# KiCad board sbc.kicad_pcb (continued)
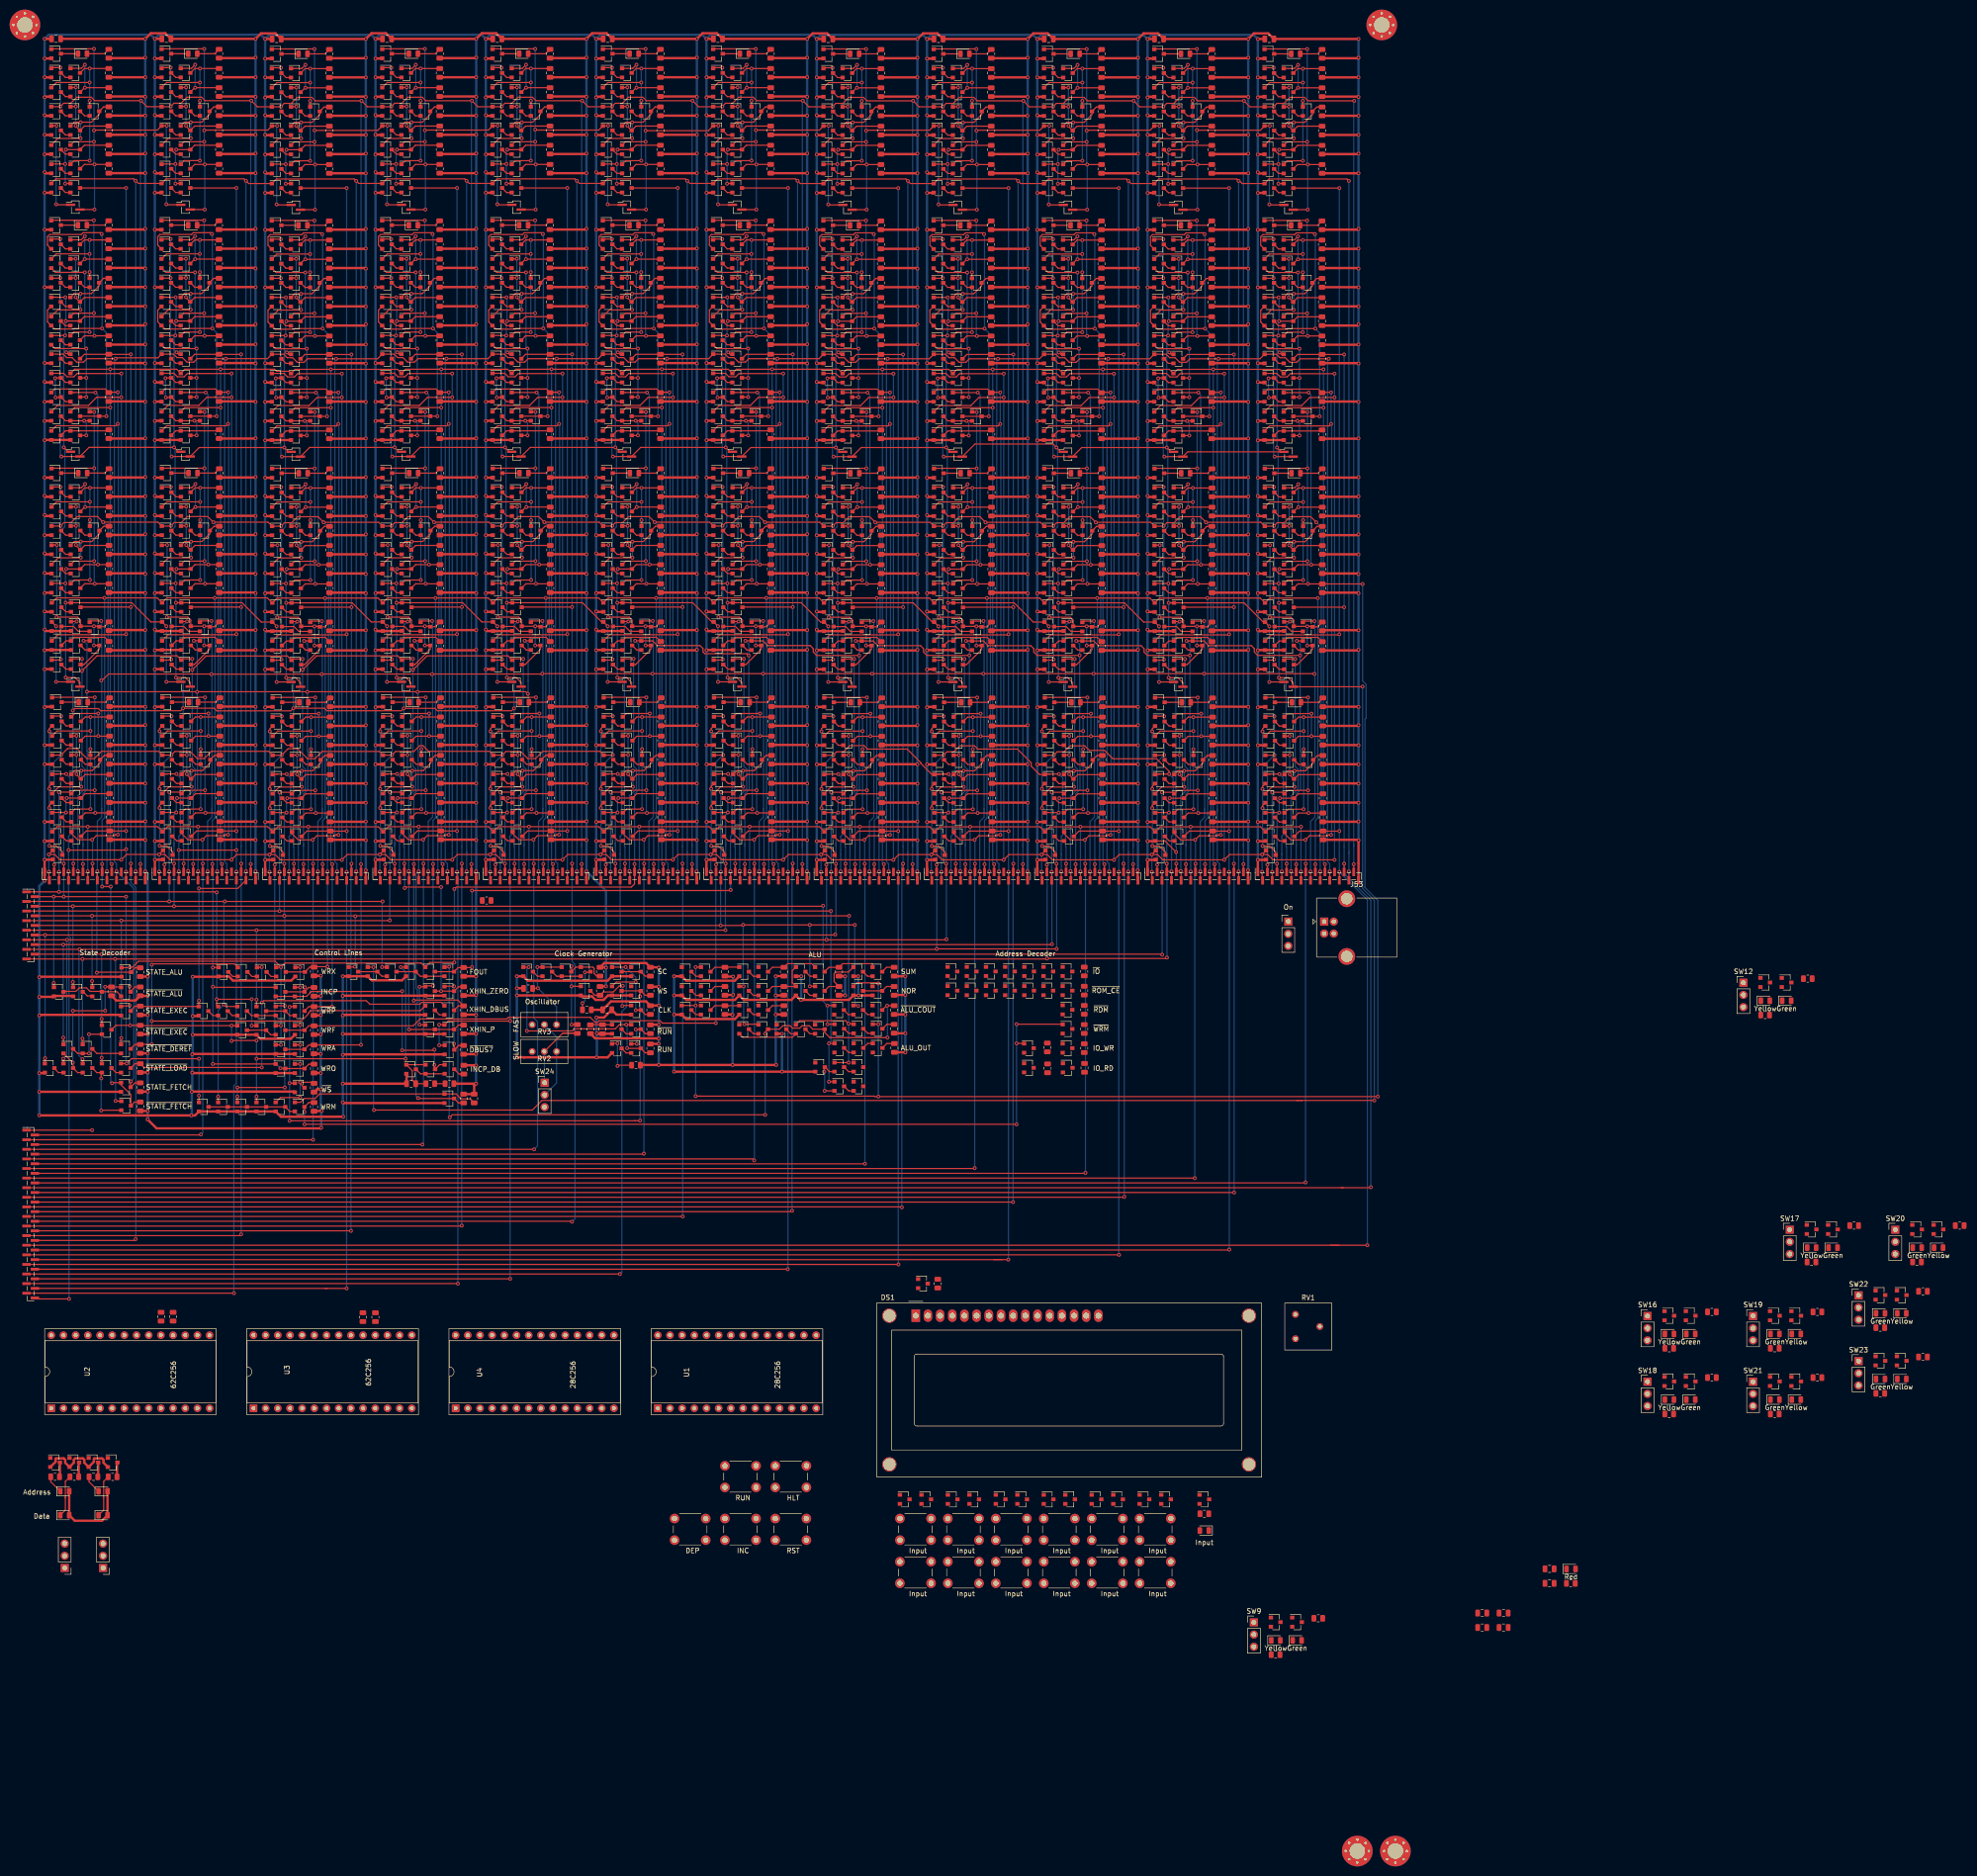
[diagram p0: board, top side]
## Routing (per net, layer and track width the routed paths; a pad name or vN(x,y) marks a point on that pad's centre or on a via; arc(x,y) is an arc through that point) (continued)
Net-(Q556-Pad1): length 11
  Top w0.25: Q560.3 123.6,252.4 Q556.1 125.4,253.14 131.71,253.14 R235.2
Net-(Q561-Pad1): length 39.6
  Top w0.25: v1(128.6,281.38) 121.65,281.38 Q564.1 ; Q561.1 125.35,265.09 v1(128.6,265.09) ; R240.2 v1(128.61,284.3) 127.51,284.3 Q567.3 ; v1(128.6,277.59) Q570.1
  Bottom w0.25: v1(128.6,265.09) v1(128.6,277.59) v1(128.6,281.38) 128.6,284.29 v1(128.61,284.3)
Net-(Q561-Pad2): length 2.4
  Top w0.25: Q563.3 123.55,262.44 Q561.2
Net-(Q562-Pad1): length 18
  Top w0.25: v1(125.7,272.38) 125.7,272.29 Q573.3 127.51,272.3 R242.2 ; v1(125.7,276.38) 124.65,276.38 124.6,276.34 ; Q562.1 125.65,280.34 v1(125.7,280.38)
  Bottom w0.25: v1(125.7,280.38) v1(125.7,276.38) v1(125.7,272.38)
Net-(Q562-Pad2): length 2.4
  Top w0.25: Q562.2 123.55,278.44 Q564.3
Net-(Q562-Pad3): length 14.5
  Top w0.25: R237.2 v1(127.61,280.3) 127.51,280.3 Q562.3 ; Q567.1 126.85,284.34 v1(127.6,285.09)
  Bottom w0.25: v1(127.6,285.09) 127.6,280.31 v1(127.61,280.3)
Net-(Q566-Pad2): length 2.4
  Top w0.25: Q566.2 123.55,266.44 Q568.3
Net-(Q567-Pad2): length 2.4
  Top w0.25: Q567.2 123.55,282.44 Q569.3
Net-(Q568-Pad1): length 20.1
  Top w0.25: 126.73,273.11 125.38,273.11 Q573.1 ; 126.73,273.11 128.97,273.11 130.6,274.74 Q570.3 131.51,276.3 R241.2 ; 126.73,273.11 v1(126.7,273.09) ; v1(126.7,269.75) 126.66,269.71 121.97,269.71 Q568.1
  Bottom w0.25: v1(126.7,273.09) v1(126.7,269.75)
Net-(Q570-Pad2): length 2.4
  Top w0.25: Q570.2 127.55,274.44 Q571.3
Net-(Q571-Pad2): length 2.4
  Top w0.25: Q571.2 123.55,274.44 Q572.3
Net-(Q573-Pad2): length 2.4
  Top w0.25: Q574.3 123.55,270.44 Q573.2
Net-(Q575-Pad2): length 2.4
  Top w0.25: Q575.2 123.5,310.3 Q576.3
Net-(Q577-Pad2): length 11.2
  Top w0.25: v1(121.45,303.15) 122.45,303.15 Q582.3 123.5,302.3 Q578.2 ; Q577.2 123.5,306.3 Q581.3 121.44,307.25 v1(121.37,307.17)
  Bottom w0.25: v1(121.37,307.17) 121.37,303.23 v1(121.45,303.15)
Net-(Q579-Pad2): length 10.9
  Top w0.25: Q583.3 123.5,298.3 Q579.2 v1(127.4,298.3) Q580.2 ; Q584.3 v1(127.85,295.25)
  Bottom w0.25: v1(127.85,295.25) 127.85,297.85 v1(127.4,298.3)
Net-(Q584-Pad1): length 10.5
  Top w0.25: R244.2 132.34,296.2 Q584.1 123.5,296.2 Q585.3
Net-(Q586-Pad1): length 39.6
  Top w0.25: v1(128.53,333.09) 121.58,333.09 Q589.1 ; R249.2 v1(128.54,336) 127.44,336 Q592.3 ; v1(128.53,316.79) 125.28,316.79 Q586.1 ; v1(128.53,329.29) Q595.1
  Bottom w0.25: v1(128.54,336) 128.53,335.99 v1(128.53,333.09) v1(128.53,329.29) v1(128.53,316.79)
Net-(Q586-Pad2): length 2.4
  Top w0.25: Q586.2 123.48,314.14 Q588.3
Net-(Q587-Pad1): length 18
  Top w0.25: v1(125.63,324.09) 125.63,323.99 Q598.3 127.44,324 R251.2 ; Q587.1 125.58,332.04 v1(125.63,332.09) ; v1(125.63,328.09) 124.58,328.09 Q596.1
  Bottom w0.25: v1(125.63,332.09) v1(125.63,328.09) v1(125.63,324.09)
Net-(Q587-Pad2): length 2.4
  Top w0.25: Q587.2 123.48,330.14 Q589.3
Net-(Q587-Pad3): length 14.5
  Top w0.25: Q587.3 127.44,332 v1(127.54,332) R246.2 ; v1(127.53,336.79) 126.78,336.04 Q592.1
  Bottom w0.25: v1(127.53,336.79) 127.53,332.02 v1(127.54,332)
Net-(Q591-Pad2): length 2.4
  Top w0.25: Q593.3 123.48,318.14 Q591.2
Net-(Q592-Pad2): length 2.4
  Top w0.25: Q592.2 123.48,334.14 Q594.3
Net-(Q593-Pad1): length 20.1
  Top w0.25: 126.66,324.82 125.31,324.82 Q598.1 ; 126.66,324.82 128.91,324.82 130.53,326.44 Q595.3 131.44,328 R250.2 ; 126.66,324.82 v1(126.63,324.79) ; Q593.1 121.9,321.41 126.59,321.41 v1(126.63,321.45)
  Bottom w0.25: v1(126.63,324.79) v1(126.63,321.45)
Net-(Q595-Pad2): length 2.4
  Top w0.25: Q595.2 127.48,326.14 Q596.3
Net-(Q596-Pad2): length 2.4
  Top w0.25: Q596.2 123.48,326.14 Q597.3
Net-(Q598-Pad2): length 2.4
  Top w0.25: Q598.2 123.48,322.14 Q599.3
Net-(Q602-Pad1): length 39.6
  Top w0.25: Q602.1 125.46,217.31 v1(128.71,217.31) ; v1(128.71,233.61) 121.76,233.61 Q605.1 ; R256.2 v1(128.72,236.52) 127.62,236.52 Q608.3 ; v1(128.71,229.81) Q611.1
  Bottom w0.25: v1(128.72,236.52) 128.71,236.51 v1(128.71,233.61) v1(128.71,229.81) v1(128.71,217.31)
Net-(Q602-Pad2): length 2.4
  Top w0.25: Q604.3 123.66,214.66 Q602.2
Net-(Q603-Pad1): length 18
  Top w0.25: Q612.1 124.76,228.61 v1(125.81,228.61) ; Q603.1 125.76,232.56 v1(125.81,232.61) ; v1(125.81,224.61) 125.81,224.51 Q614.3 127.62,224.52 R258.2
  Bottom w0.25: v1(125.81,224.61) v1(125.81,228.61) v1(125.81,232.61)
Net-(Q603-Pad2): length 2.4
  Top w0.25: Q605.3 123.66,230.66 Q603.2
Net-(Q603-Pad3): length 17.1
  Top w0.25: v1(130.34,237.24) 125.4,237.24 Q608.1 ; 130.32,232.52 130.28,232.52 ; 130.32,232.52 130.32,232.53 v1(130.34,232.55) 130.31,232.55 130.28,232.52 ; 130.32,232.52 R253.2 ; 130.28,232.52 127.62,232.52 Q603.3
  Bottom w0.25: v1(130.34,232.55) v1(130.34,237.24)
Net-(Q607-Pad2): length 2.4
  Top w0.25: Q607.2 123.66,218.66 Q609.3
Net-(Q608-Pad2): length 2.4
  Top w0.25: Q610.3 123.66,234.66 Q608.2
Net-(Q609-Pad1): length 20.1
  Top w0.25: R257.2 131.62,228.52 Q611.3 130.71,226.96 129.09,225.33 126.84,225.33 ; 126.84,225.33 v1(126.81,225.31) ; 126.84,225.33 125.49,225.33 Q614.1 ; v1(126.81,221.97) 126.77,221.93 122.09,221.93 Q609.1
  Bottom w0.25: v1(126.81,225.31) v1(126.81,221.97)
Net-(Q611-Pad2): length 2.4
  Top w0.25: Q611.2 127.66,226.66 Q612.3
Net-(Q612-Pad2): length 2.4
  Top w0.25: Q613.3 123.66,226.66 Q612.2
Net-(Q614-Pad2): length 2.4
  Top w0.25: Q614.2 123.66,222.66 Q615.3
Net-(Q616-Pad2): length 2.4
  Top w0.25: Q617.3 146.7,210.7 Q616.2
Net-(Q618-Pad2): length 2.4
  Top w0.25: Q618.2 146.5,345.9 Q619.3
Net-(Q620-Pad1): length 39.6
  Top w0.25: R265.2 v1(151.56,371.76) 150.46,371.76 Q626.3 ; Q620.1 148.3,352.55 v1(151.55,352.55) ; Q623.1 144.6,368.85 v1(151.55,368.85) ; v1(151.55,365.05) Q629.1
  Bottom w0.25: v1(151.55,352.55) v1(151.55,365.05) v1(151.55,368.85) 151.55,371.75 v1(151.56,371.76)
Net-(Q620-Pad2): length 2.4
  Top w0.25: Q620.2 146.5,349.9 Q622.3
Net-(Q621-Pad1): length 18
  Top w0.25: Q621.1 148.6,367.8 v1(148.65,367.85) ; R267.2 150.46,359.76 Q632.3 148.65,359.75 v1(148.65,359.85) ; v1(148.65,363.85) 147.6,363.85 Q630.1
  Bottom w0.25: v1(148.65,367.85) v1(148.65,363.85) v1(148.65,359.85)
Net-(Q621-Pad2): length 2.4
  Top w0.25: Q623.3 146.5,365.9 Q621.2
Net-(Q621-Pad3): length 14.5
  Top w0.25: v1(150.55,372.55) 149.8,371.8 Q626.1 ; Q621.3 150.46,367.76 v1(150.56,367.76) R262.2
  Bottom w0.25: v1(150.56,367.76) 150.55,367.77 v1(150.55,372.55)
Net-(Q625-Pad2): length 2.4
  Top w0.25: Q625.2 146.5,353.9 Q627.3
Net-(Q626-Pad2): length 2.4
  Top w0.25: Q626.2 146.5,369.9 Q628.3
Net-(Q627-Pad1): length 20.1
  Top w0.25: v1(149.65,357.21) 149.61,357.17 144.92,357.17 Q627.1 ; R266.2 154.46,363.76 Q629.3 153.55,362.2 151.93,360.57 149.68,360.57 ; 149.68,360.57 148.33,360.57 Q632.1 ; 149.68,360.57 v1(149.65,360.55)
  Bottom w0.25: v1(149.65,360.55) v1(149.65,357.21)
Net-(Q629-Pad2): length 2.4
  Top w0.25: Q629.2 150.5,361.9 Q630.3
Net-(Q630-Pad2): length 2.4
  Top w0.25: Q631.3 146.5,361.9 Q630.2
Net-(Q632-Pad2): length 2.4
  Top w0.25: Q633.3 146.5,357.9 Q632.2
Net-(Q634-Pad2): length 2.3
  Top w0.25: Q634.2 150.6,250.5 Q639.3
Net-(Q635-Pad2): length 2.4
  Top w0.25: Q635.2 146.6,258.45 Q640.3
Net-(Q636-Pad2): length 2.4
  Top w0.25: Q636.2 146.6,246.5 Q641.3
Net-(Q637-Pad2): length 6.3
  Top w0.25: Q642.3 148.19,255.4 149.19,254.4 151.55,254.4
Net-(Q639-Pad1): length 11
  Top w0.25: Q643.3 146.6,252.4 Q639.1 148.4,253.14 154.71,253.14 R269.2
Net-(Q644-Pad1): length 39.6
  Top w0.25: v1(151.6,277.59) Q653.1 ; Q650.3 150.51,284.3 v1(151.61,284.3) R274.2 ; Q644.1 148.35,265.09 v1(151.6,265.09) ; Q647.1 144.65,281.38 v1(151.6,281.38)
  Bottom w0.25: v1(151.61,284.3) 151.6,284.29 v1(151.6,281.38) v1(151.6,277.59) v1(151.6,265.09)
Net-(Q644-Pad2): length 2.4
  Top w0.25: Q644.2 146.55,262.44 Q646.3
Net-(Q645-Pad1): length 18
  Top w0.25: 147.6,276.34 147.65,276.38 v1(148.7,276.38) ; Q645.1 148.65,280.34 v1(148.7,280.38) ; R276.2 150.51,272.3 Q656.3 148.7,272.29 v1(148.7,272.38)
  Bottom w0.25: v1(148.7,280.38) v1(148.7,276.38) v1(148.7,272.38)
Net-(Q645-Pad2): length 2.4
  Top w0.25: Q645.2 146.55,278.44 Q647.3
Net-(Q645-Pad3): length 14.5
  Top w0.25: Q650.1 149.85,284.34 v1(150.6,285.09) ; Q645.3 150.51,280.3 v1(150.61,280.3) R271.2
  Bottom w0.25: v1(150.61,280.3) 150.6,280.31 v1(150.6,285.09)
Net-(Q649-Pad2): length 2.4
  Top w0.25: Q649.2 146.55,266.44 Q651.3
Net-(Q650-Pad2): length 2.4
  Top w0.25: Q652.3 146.55,282.44 Q650.2
Net-(Q651-Pad1): length 20.1
  Top w0.25: R275.2 154.51,276.3 Q653.3 153.6,274.74 151.97,273.11 149.73,273.11 ; Q656.1 148.38,273.11 149.73,273.11 ; v1(149.7,269.75) 149.66,269.71 144.97,269.71 Q651.1 ; 149.73,273.11 v1(149.7,273.09)
  Bottom w0.25: v1(149.7,273.09) v1(149.7,269.75)
Net-(Q653-Pad2): length 2.4
  Top w0.25: Q654.3 150.55,274.44 Q653.2
Net-(Q654-Pad2): length 2.4
  Top w0.25: Q654.2 146.55,274.44 Q655.3
Net-(Q656-Pad2): length 2.4
  Top w0.25: Q657.3 146.55,270.44 Q656.2
Net-(Q658-Pad2): length 2.4
  Top w0.25: Q658.2 146.5,310.3 Q659.3
Net-(Q660-Pad2): length 11.2
  Top w0.25: v1(144.45,303.15) 145.45,303.15 Q665.3 146.5,302.3 Q661.2 ; v1(144.37,307.17) 144.44,307.25 Q664.3 146.5,306.3 Q660.2
  Bottom w0.25: v1(144.37,307.17) 144.37,303.23 v1(144.45,303.15)
Net-(Q662-Pad2): length 10.9
  Top w0.25: Q663.2 v1(150.4,298.3) Q662.2 146.5,298.3 Q666.3 ; Q667.3 v1(150.85,295.25)
  Bottom w0.25: v1(150.4,298.3) 150.85,297.85 v1(150.85,295.25)
Net-(Q667-Pad1): length 10.5
  Top w0.25: R278.2 155.34,296.2 Q667.1 146.5,296.2 Q668.3
Net-(Q669-Pad1): length 39.6
  Top w0.25: Q672.1 144.58,333.09 v1(151.53,333.09) ; v1(151.53,329.29) Q678.1 ; R283.2 v1(151.54,336) 150.44,336 Q675.3 ; Q669.1 148.28,316.79 v1(151.53,316.79)
  Bottom w0.25: v1(151.53,316.79) v1(151.53,329.29) v1(151.53,333.09) 151.53,335.99 v1(151.54,336)
Net-(Q669-Pad2): length 2.4
  Top w0.25: Q671.3 146.48,314.14 Q669.2
Net-(Q670-Pad1): length 18
  Top w0.25: v1(148.63,328.09) 147.58,328.09 Q679.1 ; R285.2 150.44,324 Q681.3 148.63,323.99 v1(148.63,324.09) ; Q670.1 148.58,332.04 v1(148.63,332.09)
  Bottom w0.25: v1(148.63,332.09) v1(148.63,328.09) v1(148.63,324.09)
Net-(Q670-Pad2): length 2.4
  Top w0.25: Q672.3 146.48,330.14 Q670.2
Net-(Q670-Pad3): length 14.5
  Top w0.25: R280.2 v1(150.54,332) 150.44,332 Q670.3 ; Q675.1 149.78,336.04 v1(150.53,336.79)
  Bottom w0.25: v1(150.54,332) 150.53,332.02 v1(150.53,336.79)
Net-(Q674-Pad2): length 2.4
  Top w0.25: Q674.2 146.48,318.14 Q676.3
Net-(Q675-Pad2): length 2.4
  Top w0.25: Q675.2 146.48,334.14 Q677.3
Net-(Q676-Pad1): length 20.1
  Top w0.25: Q676.1 144.9,321.41 149.59,321.41 v1(149.63,321.45) ; 149.66,324.82 v1(149.63,324.79) ; 149.66,324.82 151.91,324.82 153.53,326.44 Q678.3 154.44,328 R284.2 ; 149.66,324.82 148.31,324.82 Q681.1
  Bottom w0.25: v1(149.63,324.79) v1(149.63,321.45)
Net-(Q678-Pad2): length 2.4
  Top w0.25: Q678.2 150.48,326.14 Q679.3
Net-(Q679-Pad2): length 2.4
  Top w0.25: Q679.2 146.48,326.14 Q680.3
Net-(Q681-Pad2): length 2.4
  Top w0.25: Q681.2 146.48,322.14 Q682.3
Net-(Q685-Pad1): length 39.6
  Top w0.25: v1(151.71,233.61) 144.76,233.61 Q688.1 ; Q691.3 150.62,236.52 v1(151.72,236.52) R290.2 ; v1(151.71,229.81) Q694.1 ; Q685.1 148.46,217.31 v1(151.71,217.31)
  Bottom w0.25: v1(151.71,217.31) v1(151.71,229.81) v1(151.71,233.61) 151.71,236.51 v1(151.72,236.52)
Net-(Q685-Pad2): length 2.4
  Top w0.25: Q685.2 146.66,214.66 Q687.3
Net-(Q686-Pad1): length 18
  Top w0.25: v1(148.81,224.61) 148.81,224.51 Q697.3 150.62,224.52 R292.2 ; v1(148.81,228.61) 147.76,228.61 Q695.1 ; Q686.1 148.76,232.56 v1(148.81,232.61)
  Bottom w0.25: v1(148.81,224.61) v1(148.81,228.61) v1(148.81,232.61)
Net-(Q686-Pad2): length 2.4
  Top w0.25: Q686.2 146.66,230.66 Q688.3
Net-(Q686-Pad3): length 17.1
  Top w0.25: 153.32,232.52 153.28,232.52 ; 153.32,232.52 R287.2 ; 153.32,232.52 153.32,232.53 v1(153.34,232.55) 153.31,232.55 153.28,232.52 ; 153.28,232.52 150.62,232.52 Q686.3 ; Q691.1 148.4,237.24 v1(153.34,237.24)
  Bottom w0.25: v1(153.34,232.55) v1(153.34,237.24)
Net-(Q690-Pad2): length 2.4
  Top w0.25: Q692.3 146.66,218.66 Q690.2
Net-(Q691-Pad2): length 2.4
  Top w0.25: Q693.3 146.66,234.66 Q691.2
Net-(Q692-Pad1): length 20.1
  Top w0.25: Q697.1 148.49,225.33 149.84,225.33 ; R291.2 154.62,228.52 Q694.3 153.71,226.96 152.09,225.33 149.84,225.33 ; 149.84,225.33 v1(149.81,225.31) ; v1(149.81,221.97) 149.77,221.93 145.09,221.93 Q692.1
  Bottom w0.25: v1(149.81,225.31) v1(149.81,221.97)
Net-(Q694-Pad2): length 2.4
  Top w0.25: Q694.2 150.66,226.66 Q695.3
Net-(Q695-Pad2): length 2.4
  Top w0.25: Q695.2 146.66,226.66 Q696.3
Net-(Q697-Pad2): length 2.4
  Top w0.25: Q698.3 146.66,222.66 Q697.2
Net-(Q699-Pad2): length 2.4
  Top w0.25: Q700.3 169.7,210.67 Q699.2
Net-(Q701-Pad2): length 2.4
  Top w0.25: Q701.2 169.5,345.87 Q702.3
Net-(Q703-Pad1): length 39.6
  Top w0.25: Q709.3 173.46,371.73 v1(174.56,371.73) R299.2 ; Q706.1 167.6,368.82 v1(174.55,368.82) ; v1(174.55,365.02) Q712.1 ; v1(174.55,352.52) 171.3,352.52 Q703.1
  Bottom w0.25: v1(174.55,352.52) v1(174.55,365.02) v1(174.55,368.82) 174.55,371.72 v1(174.56,371.73)
Net-(Q703-Pad2): length 2.4
  Top w0.25: Q705.3 169.5,349.87 Q703.2
Net-(Q704-Pad1): length 18
  Top w0.25: v1(171.65,359.82) 171.65,359.72 Q715.3 173.46,359.73 R301.2 ; v1(171.65,367.82) 171.6,367.77 Q704.1 ; v1(171.65,363.82) 170.6,363.82 Q713.1
  Bottom w0.25: v1(171.65,359.82) v1(171.65,363.82) v1(171.65,367.82)
Net-(Q704-Pad2): length 2.4
  Top w0.25: Q706.3 169.5,365.87 Q704.2
Net-(Q704-Pad3): length 14.5
  Top w0.25: Q704.3 173.46,367.73 v1(173.56,367.73) R296.2 ; v1(173.55,372.52) 172.8,371.77 Q709.1
  Bottom w0.25: v1(173.55,372.52) 173.55,367.75 v1(173.56,367.73)
Net-(Q708-Pad2): length 2.4
  Top w0.25: Q708.2 169.5,353.87 Q710.3
Net-(Q709-Pad2): length 2.4
  Top w0.25: Q711.3 169.5,369.87 Q709.2
Net-(Q710-Pad1): length 20.1
  Top w0.25: Q710.1 167.92,357.14 172.61,357.14 v1(172.65,357.18) ; 172.68,360.55 174.93,360.55 176.55,362.17 Q712.3 177.46,363.73 R300.2 ; 172.68,360.55 v1(172.65,360.52) ; 172.68,360.55 171.33,360.55 Q715.1
  Bottom w0.25: v1(172.65,360.52) v1(172.65,357.18)
Net-(Q712-Pad2): length 2.4
  Top w0.25: Q713.3 173.5,361.87 Q712.2
Net-(Q713-Pad2): length 2.4
  Top w0.25: Q713.2 169.5,361.87 Q714.3
Net-(Q715-Pad2): length 2.4
  Top w0.25: Q716.3 169.5,357.87 Q715.2
Net-(Q717-Pad2): length 2.3
  Top w0.25: Q717.2 173.6,250.47 Q722.3
Net-(Q718-Pad2): length 2.4
  Top w0.25: Q723.3 169.6,258.42 Q718.2
Net-(Q719-Pad2): length 2.4
  Top w0.25: Q724.3 169.6,246.47 Q719.2
Net-(Q720-Pad2): length 6.3
  Top w0.25: Q720.2 172.19,254.37 171.19,255.37 Q725.3
Net-(Q722-Pad1): length 11
  Top w0.25: Q726.3 169.6,252.37 Q722.1 171.4,253.12 177.71,253.12 R303.2
Net-(Q727-Pad1): length 39.6
  Top w0.25: v1(174.6,281.36) 167.65,281.36 Q730.1 ; R308.2 v1(174.61,284.27) 173.51,284.27 Q733.3 ; Q727.1 171.35,265.06 v1(174.6,265.06) ; v1(174.6,277.56) Q736.1
  Bottom w0.25: v1(174.61,284.27) 174.6,284.26 v1(174.6,281.36) v1(174.6,277.56) v1(174.6,265.06)
Net-(Q727-Pad2): length 2.4
  Top w0.25: Q729.3 169.55,262.41 Q727.2
Net-(Q728-Pad1): length 18
  Top w0.25: v1(171.7,276.36) 170.65,276.36 Q737.1 ; v1(171.7,280.36) 171.65,280.31 Q728.1 ; R310.2 173.51,272.27 Q739.3 171.7,272.26 v1(171.7,272.36)
  Bottom w0.25: v1(171.7,280.36) v1(171.7,276.36) v1(171.7,272.36)
Net-(Q728-Pad2): length 2.4
  Top w0.25: Q730.3 169.55,278.41 Q728.2
Net-(Q728-Pad3): length 14.5
  Top w0.25: Q733.1 172.85,284.31 v1(173.6,285.06) ; Q728.3 173.51,280.27 v1(173.61,280.27) R305.2
  Bottom w0.25: v1(173.61,280.27) 173.6,280.29 v1(173.6,285.06)
Net-(Q732-Pad2): length 2.4
  Top w0.25: Q732.2 169.55,266.41 Q734.3
Net-(Q733-Pad2): length 2.4
  Top w0.25: Q733.2 169.55,282.41 Q735.3
Net-(Q734-Pad1): length 20.1
  Top w0.25: 172.73,273.09 171.38,273.09 Q739.1 ; 172.73,273.09 174.97,273.09 176.6,274.71 Q736.3 177.51,276.27 R309.2 ; 172.73,273.09 v1(172.7,273.06) ; v1(172.7,269.72) 172.66,269.68 167.97,269.68 Q734.1
  Bottom w0.25: v1(172.7,273.06) v1(172.7,269.72)
Net-(Q736-Pad2): length 2.4
  Top w0.25: Q737.3 173.55,274.41 Q736.2
Net-(Q737-Pad2): length 2.4
  Top w0.25: Q738.3 169.55,274.41 Q737.2
Net-(Q739-Pad2): length 2.4
  Top w0.25: Q740.3 169.55,270.41 Q739.2
Net-(Q741-Pad2): length 2.4
  Top w0.25: Q742.3 169.5,310.27 Q741.2
Net-(Q743-Pad2): length 11.2
  Top w0.25: v1(167.45,303.12) 168.45,303.12 Q748.3 169.5,302.27 Q744.2 ; Q743.2 169.5,306.27 Q747.3 167.44,307.22 v1(167.37,307.14)
  Bottom w0.25: v1(167.45,303.12) 167.37,303.2 v1(167.37,307.14)
Net-(Q745-Pad2): length 10.9
  Top w0.25: Q746.2 v1(173.4,298.27) Q745.2 169.5,298.27 Q749.3 ; Q750.3 v1(173.85,295.22)
  Bottom w0.25: v1(173.4,298.27) 173.85,297.82 v1(173.85,295.22)
Net-(Q750-Pad1): length 10.5
  Top w0.25: R312.2 178.34,296.17 Q750.1 169.5,296.17 Q751.3
Net-(Q752-Pad1): length 39.6
  Top w0.25: v1(174.53,329.27) Q761.1 ; Q752.1 171.28,316.77 v1(174.53,316.77) ; Q758.3 173.44,335.98 v1(174.54,335.98) R317.2 ; v1(174.53,333.07) 167.58,333.07 Q755.1
  Bottom w0.25: v1(174.53,316.77) v1(174.53,329.27) v1(174.53,333.07) 174.53,335.97 v1(174.54,335.98)
Net-(Q752-Pad2): length 2.4
  Top w0.25: Q752.2 169.48,314.12 Q754.3
Net-(Q753-Pad1): length 18
  Top w0.25: Q753.1 171.58,332.02 v1(171.63,332.07) ; R319.2 173.44,323.98 Q764.3 171.63,323.97 v1(171.63,324.07) ; Q762.1 170.58,328.07 v1(171.63,328.07)
  Bottom w0.25: v1(171.63,332.07) v1(171.63,328.07) v1(171.63,324.07)
Net-(Q753-Pad2): length 2.4
  Top w0.25: Q755.3 169.48,330.12 Q753.2
Net-(Q753-Pad3): length 14.5
  Top w0.25: v1(173.53,336.77) 172.78,336.02 Q758.1 ; R314.2 v1(173.54,331.98) 173.44,331.98 Q753.3
  Bottom w0.25: v1(173.53,336.77) 173.53,331.99 v1(173.54,331.98)
Net-(Q757-Pad2): length 2.4
  Top w0.25: Q757.2 169.48,318.12 Q759.3
Net-(Q758-Pad2): length 2.4
  Top w0.25: Q760.3 169.48,334.12 Q758.2
Net-(Q759-Pad1): length 20.1
  Top w0.25: 172.66,324.79 174.91,324.79 176.53,326.42 Q761.3 177.44,327.98 R318.2 ; 172.66,324.79 171.31,324.79 Q764.1 ; 172.66,324.79 v1(172.63,324.77) ; v1(172.63,321.43) 172.59,321.39 167.9,321.39 Q759.1
  Bottom w0.25: v1(172.63,324.77) v1(172.63,321.43)
Net-(Q761-Pad2): length 2.4
  Top w0.25: Q761.2 173.48,326.12 Q762.3
Net-(Q762-Pad2): length 2.4
  Top w0.25: Q763.3 169.48,326.12 Q762.2
Net-(Q764-Pad2): length 2.4
  Top w0.25: Q764.2 169.48,322.12 Q765.3
Net-(Q768-Pad1): length 39.6
  Top w0.25: Q768.1 171.46,217.28 v1(174.71,217.28) ; v1(174.71,229.78) Q777.1 ; Q771.1 167.76,233.58 v1(174.71,233.58) ; R324.2 v1(174.72,236.49) 173.62,236.49 Q774.3
  Bottom w0.25: v1(174.72,236.49) 174.71,236.48 v1(174.71,233.58) v1(174.71,229.78) v1(174.71,217.28)
Net-(Q768-Pad2): length 2.4
  Top w0.25: Q768.2 169.66,214.63 Q770.3
Net-(Q769-Pad1): length 18
  Top w0.25: Q778.1 170.76,228.58 v1(171.81,228.58) ; v1(171.81,224.58) 171.81,224.48 Q780.3 173.62,224.49 R326.2 ; Q769.1 171.76,232.53 v1(171.81,232.58)
  Bottom w0.25: v1(171.81,224.58) v1(171.81,228.58) v1(171.81,232.58)
Net-(Q769-Pad2): length 2.4
  Top w0.25: Q771.3 169.66,230.63 Q769.2
Net-(Q769-Pad3): length 17.1
  Top w0.25: 176.32,232.49 176.32,232.51 v1(176.34,232.52) 176.31,232.52 176.28,232.49 ; 176.32,232.49 R321.2 ; 176.32,232.49 176.28,232.49 ; Q769.3 173.62,232.49 176.28,232.49 ; v1(176.34,237.22) 171.4,237.22 Q774.1
  Bottom w0.25: v1(176.34,232.52) v1(176.34,237.22)
Net-(Q773-Pad2): length 2.4
  Top w0.25: Q773.2 169.66,218.63 Q775.3
Net-(Q774-Pad2): length 2.4
  Top w0.25: Q776.3 169.66,234.63 Q774.2
Net-(Q775-Pad1): length 20.1
  Top w0.25: Q775.1 168.09,221.9 172.77,221.9 v1(172.81,221.94) ; 172.84,225.31 v1(172.81,225.28) ; 172.84,225.31 175.09,225.31 176.71,226.93 Q777.3 177.62,228.49 R325.2 ; 172.84,225.31 171.49,225.31 Q780.1
  Bottom w0.25: v1(172.81,225.28) v1(172.81,221.94)
Net-(Q777-Pad2): length 2.4
  Top w0.25: Q777.2 173.66,226.63 Q778.3
Net-(Q778-Pad2): length 2.4
  Top w0.25: Q779.3 169.66,226.63 Q778.2
Net-(Q780-Pad2): length 2.4
  Top w0.25: Q781.3 169.66,222.63 Q780.2
Net-(Q782-Pad2): length 2.4
  Top w0.25: Q782.2 192.7,210.67 Q783.3
Net-(Q784-Pad2): length 2.4
  Top w0.25: Q784.2 192.5,345.87 Q785.3
Net-(Q786-Pad1): length 39.6
  Top w0.25: Q789.1 190.6,368.82 v1(197.55,368.82) ; v1(197.55,365.02) Q795.1 ; v1(197.55,352.52) 194.3,352.52 Q786.1 ; R333.2 v1(197.56,371.73) 196.46,371.73 Q792.3
  Bottom w0.25: v1(197.56,371.73) 197.55,371.72 v1(197.55,368.82) v1(197.55,365.02) v1(197.55,352.52)
Net-(Q786-Pad2): length 2.4
  Top w0.25: Q786.2 192.5,349.87 Q788.3
Net-(Q787-Pad1): length 18
  Top w0.25: R335.2 196.46,359.73 Q798.3 194.65,359.72 v1(194.65,359.82) ; v1(194.65,363.82) 193.6,363.82 Q796.1 ; v1(194.65,367.82) 194.6,367.77 Q787.1
  Bottom w0.25: v1(194.65,367.82) v1(194.65,363.82) v1(194.65,359.82)
Net-(Q787-Pad2): length 2.4
  Top w0.25: Q787.2 192.5,365.87 Q789.3
Net-(Q787-Pad3): length 14.5
  Top w0.25: Q792.1 195.8,371.77 v1(196.55,372.52) ; Q787.3 196.46,367.73 v1(196.56,367.73) R330.2
  Bottom w0.25: v1(196.55,372.52) 196.55,367.75 v1(196.56,367.73)
Net-(Q791-Pad2): length 2.4
  Top w0.25: Q791.2 192.5,353.87 Q793.3
Net-(Q792-Pad2): length 2.4
  Top w0.25: Q792.2 192.5,369.87 Q794.3
Net-(Q793-Pad1): length 20.1
  Top w0.25: 195.68,360.55 197.93,360.55 199.55,362.17 Q795.3 200.46,363.73 R334.2 ; 195.68,360.55 194.33,360.55 Q798.1 ; 195.68,360.55 v1(195.65,360.52) ; v1(195.65,357.18) 195.61,357.14 190.92,357.14 Q793.1
  Bottom w0.25: v1(195.65,360.52) v1(195.65,357.18)
Net-(Q795-Pad2): length 2.4
  Top w0.25: Q796.3 196.5,361.87 Q795.2
Net-(Q796-Pad2): length 2.4
  Top w0.25: Q797.3 192.5,361.87 Q796.2
Net-(Q798-Pad2): length 2.4
  Top w0.25: Q798.2 192.5,357.87 Q799.3
Net-(Q800-Pad2): length 2.3
  Top w0.25: Q805.3 196.6,250.47 Q800.2
Net-(Q801-Pad2): length 2.4
  Top w0.25: Q801.2 192.6,258.42 Q806.3
Net-(Q802-Pad2): length 2.4
  Top w0.25: Q802.2 192.6,246.47 Q807.3
Net-(Q803-Pad2): length 6.3
  Top w0.25: Q803.2 195.19,254.37 194.19,255.37 Q808.3
Net-(Q805-Pad1): length 11
  Top w0.25: R337.2 200.71,253.12 194.4,253.12 Q805.1 192.6,252.37 Q809.3
Net-(Q810-Pad1): length 39.6
  Top w0.25: v1(197.6,281.36) 190.65,281.36 Q813.1 ; v1(197.6,277.56) Q819.1 ; R342.2 v1(197.61,284.27) 196.51,284.27 Q816.3 ; Q810.1 194.35,265.06 v1(197.6,265.06)
  Bottom w0.25: v1(197.61,284.27) 197.6,284.26 v1(197.6,281.36) v1(197.6,277.56) v1(197.6,265.06)
Net-(Q810-Pad2): length 2.4
  Top w0.25: Q810.2 192.55,262.41 Q812.3
Net-(Q811-Pad1): length 18
  Top w0.25: v1(194.7,272.36) 194.7,272.26 Q822.3 196.51,272.27 R344.2 ; v1(194.7,280.36) 194.65,280.31 Q811.1 ; Q820.1 193.65,276.36 v1(194.7,276.36)
  Bottom w0.25: v1(194.7,280.36) v1(194.7,276.36) v1(194.7,272.36)
Net-(Q811-Pad2): length 2.4
  Top w0.25: Q811.2 192.55,278.41 Q813.3
Net-(Q811-Pad3): length 14.5
  Top w0.25: R339.2 v1(196.61,280.27) 196.51,280.27 Q811.3 ; Q816.1 195.85,284.31 v1(196.6,285.06)
  Bottom w0.25: v1(196.61,280.27) 196.6,280.29 v1(196.6,285.06)
Net-(Q815-Pad2): length 2.4
  Top w0.25: Q815.2 192.55,266.41 Q817.3
Net-(Q816-Pad2): length 2.4
  Top w0.25: Q818.3 192.55,282.41 Q816.2
Net-(Q817-Pad1): length 20.1
  Top w0.25: 195.73,273.09 194.38,273.09 Q822.1 ; 195.73,273.09 197.97,273.09 199.6,274.71 Q819.3 200.51,276.27 R343.2 ; 195.73,273.09 v1(195.7,273.06) ; v1(195.7,269.72) 195.66,269.68 190.97,269.68 Q817.1
  Bottom w0.25: v1(195.7,273.06) v1(195.7,269.72)
Net-(Q819-Pad2): length 2.4
  Top w0.25: Q819.2 196.55,274.41 Q820.3
Net-(Q820-Pad2): length 2.4
  Top w0.25: Q821.3 192.55,274.41 Q820.2
Net-(Q822-Pad2): length 2.4
  Top w0.25: Q823.3 192.55,270.41 Q822.2
Net-(Q824-Pad2): length 2.4
  Top w0.25: Q825.3 192.5,310.27 Q824.2
Net-(Q826-Pad2): length 11.2
  Top w0.25: v1(190.45,303.12) 191.45,303.12 Q831.3 192.5,302.27 Q827.2 ; v1(190.37,307.14) 190.44,307.22 Q830.3 192.5,306.27 Q826.2
  Bottom w0.25: v1(190.37,307.14) 190.37,303.2 v1(190.45,303.12)
Net-(Q828-Pad2): length 10.9
  Top w0.25: Q829.2 v1(196.4,298.27) Q828.2 192.5,298.27 Q832.3 ; Q833.3 v1(196.85,295.22)
  Bottom w0.25: v1(196.85,295.22) 196.85,297.82 v1(196.4,298.27)
Net-(Q833-Pad1): length 10.5
  Top w0.25: R346.2 201.34,296.17 Q833.1 192.5,296.17 Q834.3
Net-(Q835-Pad1): length 39.6
  Top w0.25: v1(197.53,333.07) 190.58,333.07 Q838.1 ; R351.2 v1(197.54,335.98) 196.44,335.98 Q841.3 ; Q835.1 194.28,316.77 v1(197.53,316.77) ; v1(197.53,329.27) Q844.1
  Bottom w0.25: v1(197.54,335.98) 197.53,335.97 v1(197.53,333.07) v1(197.53,329.27) v1(197.53,316.77)
Net-(Q835-Pad2): length 2.4
  Top w0.25: Q835.2 192.48,314.12 Q837.3
Net-(Q836-Pad1): length 18
  Top w0.25: Q845.1 193.58,328.07 v1(194.63,328.07) ; v1(194.63,324.07) 194.63,323.97 Q847.3 196.44,323.98 R353.2 ; v1(194.63,332.07) 194.58,332.02 Q836.1
  Bottom w0.25: v1(194.63,324.07) v1(194.63,328.07) v1(194.63,332.07)
Net-(Q836-Pad2): length 2.4
  Top w0.25: Q836.2 192.48,330.12 Q838.3
Net-(Q836-Pad3): length 14.5
  Top w0.25: v1(196.53,336.77) 195.78,336.02 Q841.1 ; R348.2 v1(196.54,331.98) 196.44,331.98 Q836.3
  Bottom w0.25: v1(196.53,336.77) 196.53,331.99 v1(196.54,331.98)
Net-(Q840-Pad2): length 2.4
  Top w0.25: Q842.3 192.48,318.12 Q840.2